# Altium PCB DIOT_8ch_isoSPI1.PcbDoc (part 4 of 5) (continued)
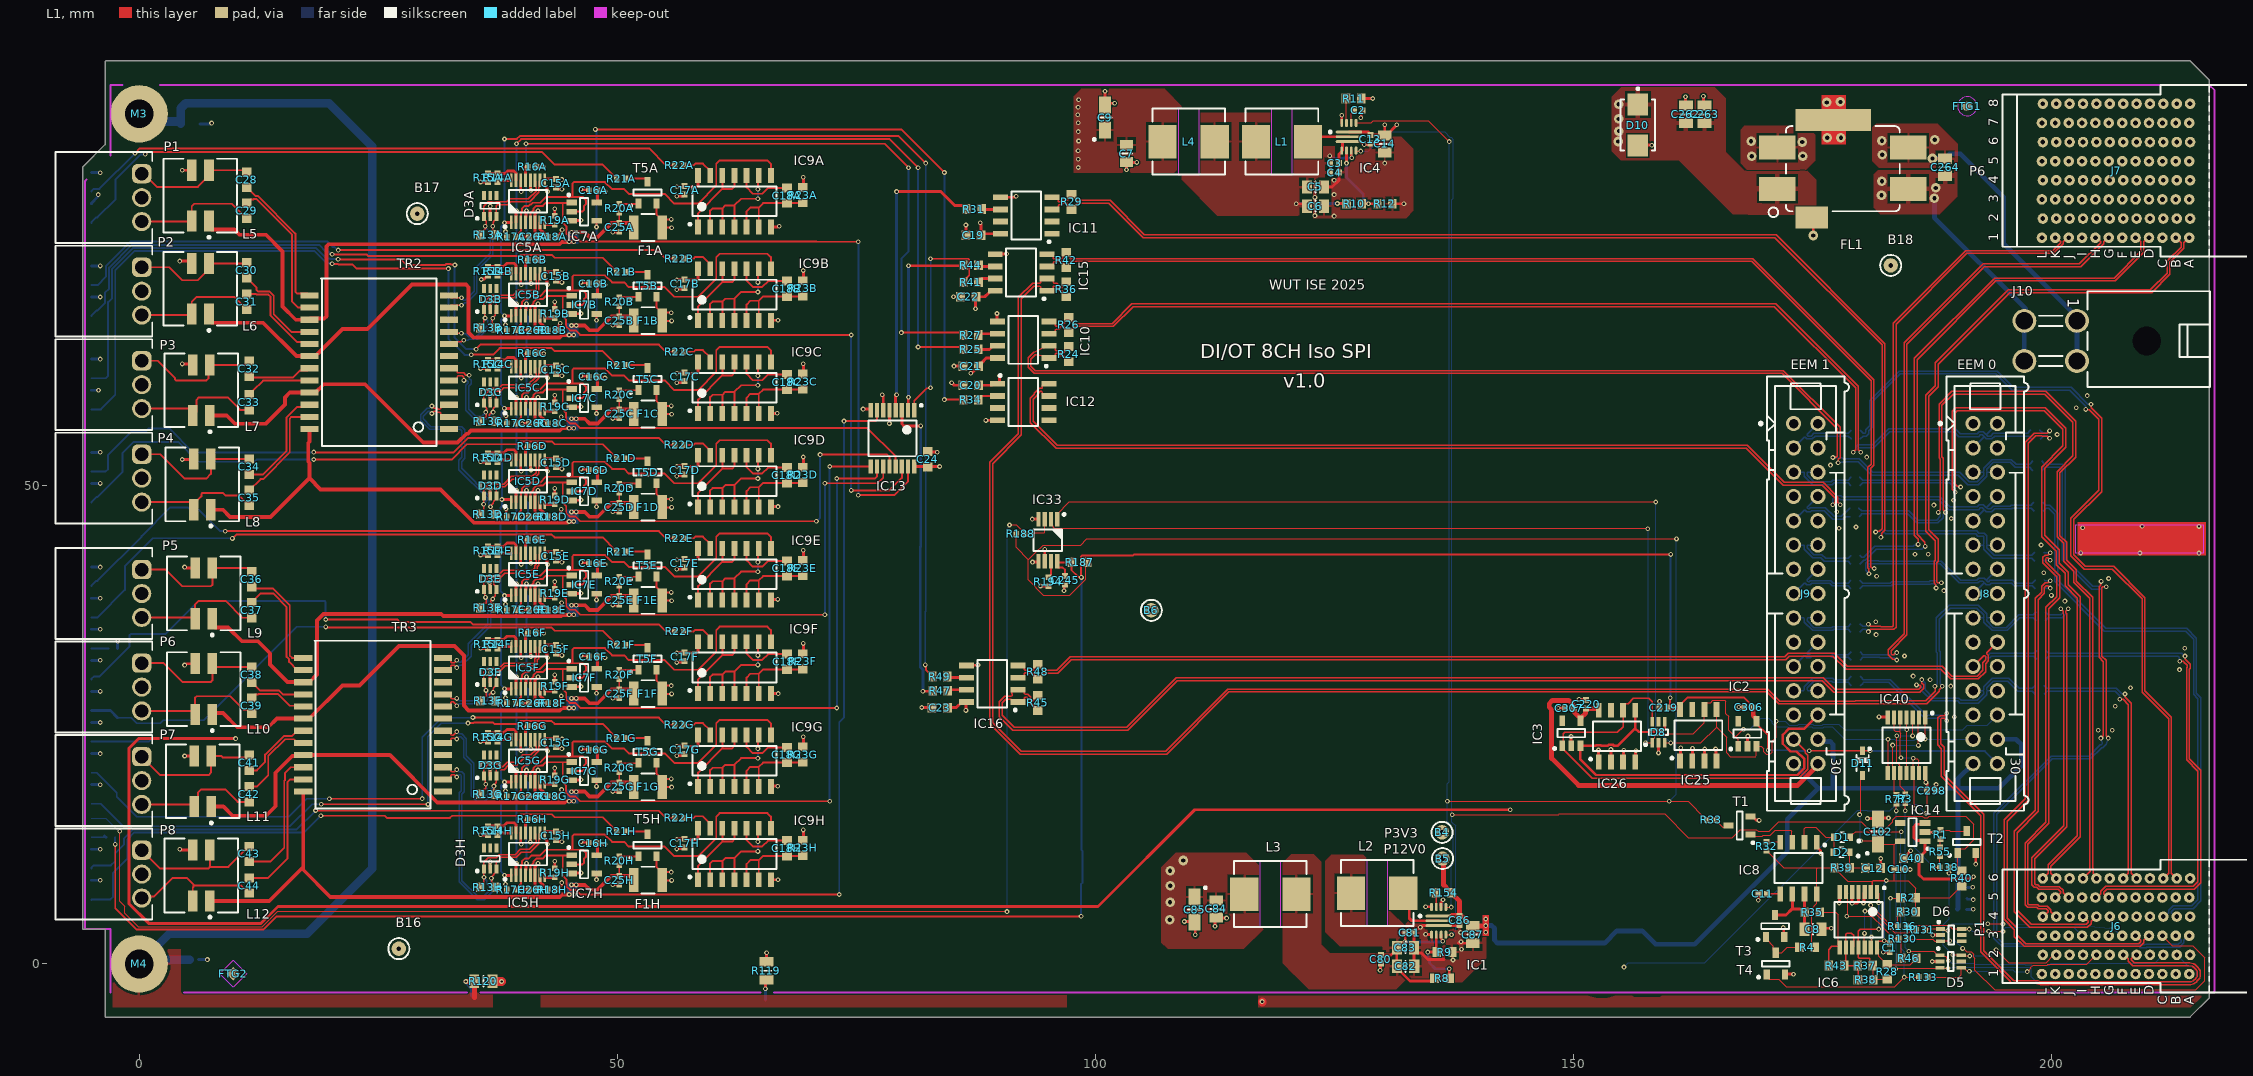
[diagram p0: L1 view]
## Nets (pads, with @x,y where several pads share a name; then routed paths per layer and width w, separated by ;. In a path a pad name is that pad's centre, name@x,y a point inside that pad or via, vN(x,y) a via of type N, cw(c..) or ccw(c..) an arc to the next point about the centre after c; other vN are vias at no path point) (continued)
NetC44_1: C44.1 L12.4 P8.3 | length 14.5
  L1 w0.2: P8.3@0.267,6.898 0.436,7.067 1.567,7.067 3.5,9 5,9 5.667,8.333 5.667,8.2 ; L12.4@5.6,6.6 5.6,8 5.667,8.067 5.667,8.2 ; C44.1@11.5,7.4 11.475,7.4 10.675,8.2 5.667,8.2
NetC44_2: C44.2 TR3.23 | length 14.6
  L1 w0.2: C44.2@11.5,9 13.5,9 15.5,11 15.5,19 15.805,19.305 TR3.23@17.154,19.305
NetC79_2: C79.2 IC1.9 | length 1.7
  L1 w0.3: IC1.9@136.14,5.963 136.14,6.444 136.347,6.651 v1(136.347,6.706)
  L4 w0.3: C79.2@136.09,5.963 136.25,6.123 136.25,6.554 136.347,6.651 v1(136.347,6.706)
NetC264_1: C264.1 FL1.3 J10.1 J10.2 | length 29.9
  L4 w0.5: v2(187.528,84.226) 188.802,84.226 189.31,84.734 190.449,84.734 194.945,80.239 194.945,75.369 202.631,67.683 J10.2@202.631,63.051
  other v2: 182.27,84.607 182.245,86.081 187.757,86.182
NetC264_2: C264.2 FL1.1 J10.3 J10.4 | length 21
  L4 w0.5: v2(187.731,80.061) 187.731,78.029 197.256,68.504 197.256,67.376 J10.3@197.131,67.251 J10.4@197.131,63.051
  other v2: 182.194,80.391 187.858,81.153 182.245,81.839
NetD1_2: D1.2 D2.2 IC8.2 | length 6.6
  L1 w0.125: IC8.2@174.142,12.733 174.142,14.122 174.295,14.275 175.336,14.275 176.352,13.259 D1.2@177.229,13.259 177.229,11.76 D2.2@177.153,11.684
NetD5_4: D5.4 J6.H2 R133.2 | length 19.6
  L1 w0.125: R133.2@187.033,-1.372 190.297,-1.372 190.551,-1.118 190.551,-0.414 D5.4@190.533,-0.396 190.808,-0.396 191.102,-0.69 191.317,-0.69 v1(191.389,-0.762) ; v1(197.426,-0.795) 197.464,-0.795 197.821,-0.438 197.821,-0.35 198.056,-0.115 199.51,-0.115 199.574,-0.051 203.668,-0.051 J6.H2@204.669,0.95
  L4 w0.125: v1(191.389,-0.762) 194.435,-0.762 194.587,-0.61 195.93,-0.61 196.115,-0.795 v1(197.426,-0.795)
NetD5_6: D5.6 J6.K2 R138.2 | length 21.9
  L1 w0.125: R138.2@189.243,10.109 189.255,10.097 v1(189.255,9.5) ; v1(189.636,0.965) 190.472,0.965 D5.6@190.533,0.904 190.599,0.838 v1(191.414,0.838) ; v1(194.183,1.473) 195.519,0.138 199.406,0.138 200.218,0.95 J6.K2@200.469,0.95
  L4 w0.125: v1(189.255,9.5) 189.255,4.724 188.646,4.115 188.646,1.956 v1(189.636,0.965) ; v1(191.414,0.838) 193.548,0.838 v1(194.183,1.473)
NetIC1_2: IC1.2 L2.1 | length 6.1
  L1 w0.3: L2.1@132.182,7.417 132.817,6.782 132.817,4.775 133.079,4.513 IC1.2@135.89,4.513
NetIC1_5: IC1.5 R8.1 R9.2 | length 7.3
  L1 w0.3: v1(134.747,1.245) 135.569,1.245 135.674,1.35 135.64,1.384 IC1.5@135.64,3.063 ; v1(137,-0.5) 137,-1.465 R8.1@137.063,-1.528
  L4 w0.3: v1(134.747,1.245) 134.775,1.217 134.775,0.545 134.925,0.395 134.925,0.102 135.526,-0.5 v1(137,-0.5)
NetIC1_10: IC1.10 R154.2 | length 1.5
  L1 w0.2: R154.2@135.598,7.468 135.64,7.426 IC1.10@135.64,5.963
NetIC4_2: IC4.2 L1.1 | length 4.5
  L1 w0.3: L1.1@122.225,86 122.725,86.5 IC4.2@126.5,86.5
NetIC4_5: IC4.5 R10.1 R12.2 | length 8.1
  L1 w0.3: v1(126.25,83.75) IC4.5@126.25,85.05 ; R10.1@127.85,79.5 v1(128.55,79.5) R12.2@129.45,79.5
  L4 w0.3: v1(126.25,83.75) 126.25,82.25 128,80.5 128,80.05 v1(128.55,79.5)
NetIC4_10: IC4.10 R11.2 | length 2.6
  L1 w0.125: R11.2@126.2,90.5 126.25,90.45 IC4.10@126.25,87.95
NetIC5A_1: IC5A.1 IC5B.1 IC5C.1 IC5D.1 IC5E.1 IC5F.1 IC5G.1 IC5H.1 R49.1 | length 184.8
  L1 w0.2: v1(38.204,86.27) 39.491,86.27 39.796,86.574 79.426,86.574 v1(82.25,83.75) ; v1(82.204,31.27) 82.261,31.213 82.261,30.763 82.916,30.108 R49.1@82.916,30.058
  L1 w0.3: v1(37.931,48.565) 38.906,48.565 IC5D.1@38.906,48.297 ; v1(38.193,58.095) 38.906,58.095 IC5C.1@38.906,58.047 ; v1(38.204,9.27) 38.906,9.27 IC5H.1@38.906,9.297 ; v1(38.204,19.02) 38.906,19.02 IC5G.1@38.906,19.047 ; v1(38.204,28.77) 38.906,28.77 IC5F.1@38.906,28.797 ; v1(38.204,38.52) 38.906,38.52 IC5E.1@38.906,38.547 ; v1(38.204,67.77) 38.906,67.77 IC5B.1@38.906,67.797 ; v1(38.204,77.52) 38.906,77.52 IC5A.1@38.906,77.547
  L4 w0.2: v1(37.931,48.565) v1@37.795,48.565 ; v1@38.175,58.077 38.175,58.162 37.829,58.509 37.829,67.367 v1@38.204,67.742 ; v1(38.193,58.095) 38.193,58.014 37.871,57.692 37.871,53.199 37.931,53.139 37.931,48.701 v1@37.795,48.565 ; v1(38.204,9.27) 38.204,9.298 37.829,9.673 37.829,18.617 v1@38.204,18.992 ; v1(38.204,19.02) 38.204,19.048 37.829,19.423 37.829,28.367 v1@38.204,28.742 ; v1(38.204,28.77) 38.204,28.798 37.829,29.173 37.829,38.117 v1@38.204,38.492 ; v1(38.204,38.52) 38.204,38.548 37.795,38.957 37.795,47.721 37.931,47.857 37.931,48.429 v1@37.795,48.565 ; v1(38.204,67.77) 38.204,67.798 37.829,68.173 37.829,77.117 38.204,77.492 v1(38.204,86.27) ; v1(82.204,31.27) 82.204,36.814 82.25,36.86 v1(82.25,83.75)
NetIC5A_2: IC5A.2 IC5B.2 IC5C.2 IC5D.2 IC5E.2 IC5F.2 IC5G.2 IC5H.2 R25.1 | length 152.2
  L1 w0.2: v1(39.454,85.77) 39.931,86.247 78.477,86.247 v1(81.454,83.27) ; v1(81.454,64.52) 85.904,64.52 R25.1@86.154,64.27
  L1 w0.3: IC5H.2@39.406,9.297 39.406,10.418 39.454,10.466 v1(39.454,10.52) ; IC5G.2@39.406,19.047 39.406,20.168 39.454,20.216 v1(39.454,20.27) ; IC5F.2@39.406,28.797 39.406,29.918 39.454,29.966 v1(39.454,30.02) ; IC5E.2@39.406,38.547 39.406,39.668 39.454,39.716 v1(39.454,39.77) ; IC5D.2@39.406,48.297 39.406,49.418 39.454,49.466 v1(39.454,49.52) ; IC5C.2@39.406,58.047 39.406,59.168 39.454,59.216 v1(39.454,59.27) ; IC5B.2@39.406,67.797 39.406,68.918 39.454,68.966 v1(39.454,69.02) ; IC5A.2@39.406,77.547 39.406,78.668 39.454,78.716 v1(39.454,78.77)
  L4 w0.2: v1(39.454,10.52) v1(39.454,20.27) v1(39.454,30.02) v1(39.454,39.77) v1(39.454,49.52) v1(39.454,59.27) v1(39.454,69.02) v1(39.454,78.77) v1(39.454,85.77) ; v1(81.454,64.52) v1(81.454,83.27)
NetIC5A_3: IC5A.3 IC7A.2 IC9A.8 R17A.1 | length 40.8
  L1 w0.2: R17A.1@39.394,76.02 39.394,76.04 39.717,76.363 39.717,76.424 39.915,76.622 IC5A.3@39.915,77.538 ; IC5A.3@39.906,77.547 IC5A.3@39.915,77.538 ; IC7A.2@45.232,78.668 46.356,78.668 46.532,78.844 46.532,79.273 46.709,79.45 46.709,79.886 46.4,80.195 45.292,80.195 ; IC9A.8@66.06,82.45 66.06,83.664 65.704,84.02 60.704,84.02 60.349,83.665 60.349,81.415 58.454,79.52 55.954,79.52 54.954,80.52 51.204,80.52 50.704,81.02 49.454,81.02 48.704,81.77 45.454,81.77 45.292,81.608 45.292,80.195 ; IC5A.3@39.915,77.538 39.915,78.556 40.031,78.672 40.031,78.968 40.344,79.28 40.714,79.28 40.847,79.413 40.947,79.413 41.131,79.597 41.927,79.597 42.525,80.195 45.292,80.195
NetIC5A_4: IC5A.4 IC5B.4 IC5C.4 IC5D.4 IC5E.4 IC5F.4 IC5G.4 IC5H.4 R27.1 | length 151.6
  L1 w0.2: v1(40.454,85.77) 77.954,85.77 v1(80.454,83.27) ; v1(79.704,66.02) 85.904,66.02 R27.1@86.154,65.77
  L1 w0.3: IC5H.4@40.406,9.297 40.406,9.847 40.47,9.911 40.47,10.482 v1(40.508,10.52) ; IC5G.4@40.406,19.047 40.406,19.597 40.47,19.661 40.47,20.232 v1(40.508,20.27) ; IC5F.4@40.406,28.797 40.406,29.347 40.47,29.411 40.47,29.982 v1(40.508,30.02) ; IC5E.4@40.406,38.547 40.406,39.097 40.47,39.161 40.47,39.732 v1(40.508,39.77) ; IC5D.4@40.406,48.297 40.406,48.847 40.47,48.911 40.47,49.482 v1(40.508,49.52) ; IC5C.4@40.406,58.047 40.406,58.597 40.47,58.661 40.47,59.232 v1(40.508,59.27) ; IC5B.4@40.406,67.797 40.406,68.347 40.47,68.411 40.47,68.982 v1(40.508,69.02) ; IC5A.4@40.406,77.547 40.406,78.097 40.47,78.161 40.47,78.732 v1(40.508,78.77)
  L4 w0.2: v1(40.454,85.77) 40.454,85.02 40.481,84.993 40.481,78.797 v1(40.508,78.77) 40.508,76.381 40.671,76.218 40.671,75.822 40.508,75.659 v1(40.508,69.02) 40.508,67.869 40.671,67.706 40.671,65.59 40.508,65.427 40.508,61.706 40.481,61.679 40.481,61.284 40.508,61.258 v1(40.508,59.27) 40.508,58.119 40.671,57.956 40.671,55.84 40.508,55.677 v1(40.508,49.52) 40.508,48.369 40.671,48.206 40.671,46.09 40.508,45.927 40.508,42.125 40.482,42.099 40.482,41.703 40.508,41.677 v1(40.508,39.77) 40.508,38.619 40.671,38.456 40.671,36.34 40.508,36.177 40.508,32.375 40.482,32.349 40.482,31.953 40.508,31.927 v1(40.508,30.02) 40.508,28.869 40.671,28.706 40.671,26.59 40.508,26.427 40.508,22.721 40.482,22.695 40.482,22.299 40.508,22.273 v1(40.508,20.27) 40.508,19.119 40.671,18.956 40.671,16.84 40.508,16.677 40.508,13.024 40.429,12.945 40.429,12.549 40.508,12.47 v1(40.508,10.52) ; v1(79.704,66.02) 79.704,73.77 80.454,74.52 v1(80.454,83.27)
NetIC5A_7: IC5A.7 R18A.2 | length 1.9
  L1 w0.3: IC5A.7@41.906,77.547 41.906,76.805 42.141,76.57 42.204,76.57 42.734,76.04 R18A.2@42.734,76.02
NetIC5A_8: IC5A.8 R19A.2 | length 1.3
  L1 w0.3: IC5A.8@42.406,77.547 42.406,77.3 R19A.2@43.454,77.3
NetIC5A_13: IC5A.13 R16A.2 | length 1.6
  L1 w0.3: IC5A.13@40.406,81.947 40.406,83.324 40.607,83.324 R16A.2@40.651,83.368
NetIC5A_15: IC5A.15 R14A.2 R15A.1 | length 3.9
  L1 w0.3: R15A.1@36.469,82.671 38.281,82.671 38.534,82.924 39.171,82.924 39.406,82.689 IC5A.15@39.406,81.947
NetIC5A_16: IC5A.16 R14A.1 | length 1.5
  L1 w0.3: R14A.1@37.485,81.731 37.505,81.731 37.721,81.947 IC5A.16@38.906,81.947
NetIC5B_3: IC5B.3 IC7B.2 IC9B.8 R17B.1 | length 40.7
  L1 w0.2: R17B.1@39.394,66.27 39.394,66.29 39.717,66.613 39.717,66.674 39.915,66.872 39.915,67.788 IC5B.3@39.906,67.797 39.906,68.797 40.031,68.922 40.031,69.218 40.341,69.528 40.712,69.528 41.021,69.837 41.702,69.837 41.712,69.847 41.927,69.847 42.525,70.445 45.292,70.445 ; IC7B.2@45.232,68.918 46.356,68.918 46.532,69.094 46.532,69.523 46.709,69.7 46.709,70.136 46.4,70.445 45.292,70.445 ; IC9B.8@66.06,72.7 66.06,73.914 65.704,74.27 60.704,74.27 60.349,73.915 60.349,71.665 58.454,69.77 55.954,69.77 54.954,70.77 51.204,70.77 50.704,71.27 49.454,71.27 48.704,72.02 45.454,72.02 45.292,71.858 45.292,70.445
NetIC5B_7: IC5B.7 R18B.2 | length 1.9
  L1 w0.3: IC5B.7@41.906,67.797 41.906,67.055 42.141,66.82 42.204,66.82 42.734,66.29 R18B.2@42.734,66.27
NetIC5B_8: IC5B.8 R19B.2 | length 1.3
  L1 w0.3: IC5B.8@42.406,67.797 42.406,67.55 R19B.2@43.454,67.55
NetIC5B_13: IC5B.13 R16B.2 | length 1.6
  L1 w0.3: IC5B.13@40.406,72.197 40.406,73.574 40.607,73.574 R16B.2@40.651,73.618
NetIC5B_15: IC5B.15 R14B.2 R15B.1 | length 4
  L1 w0.3: R15B.1@36.469,72.921 38.105,72.921 38.454,73.27 39.204,73.27 39.406,73.068 IC5B.15@39.406,72.197
NetIC5B_16: IC5B.16 R14B.1 | length 1.5
  L1 w0.3: R14B.1@37.485,71.981 37.505,71.981 37.721,72.197 IC5B.16@38.906,72.197
NetIC5C_3: IC5C.3 IC7C.2 IC9C.8 R17C.1 | length 40.7
  L1 w0.2: R17C.1@39.394,56.52 39.394,56.54 39.717,56.863 39.717,56.924 39.915,57.122 39.915,58.038 IC5C.3@39.906,58.047 39.906,59.047 40.031,59.172 40.031,59.468 40.341,59.778 40.712,59.778 40.884,59.95 40.903,59.95 41.05,60.097 41.927,60.097 42.525,60.695 45.292,60.695 ; IC7C.2@45.232,59.168 46.356,59.168 46.532,59.344 46.532,59.773 46.709,59.95 46.709,60.386 46.4,60.695 45.292,60.695 ; IC9C.8@66.06,62.95 66.06,64.164 65.704,64.52 60.704,64.52 60.349,64.165 60.349,61.915 58.454,60.02 55.954,60.02 54.954,61.02 51.204,61.02 50.704,61.52 49.454,61.52 48.704,62.27 45.454,62.27 45.292,62.108 45.292,60.695
NetIC5C_7: IC5C.7 R18C.2 | length 1.9
  L1 w0.3: IC5C.7@41.906,58.047 41.906,57.305 42.141,57.07 42.204,57.07 42.734,56.54 R18C.2@42.734,56.52
NetIC5C_8: IC5C.8 R19C.2 | length 1.3
  L1 w0.3: IC5C.8@42.406,58.047 42.406,57.8 R19C.2@43.454,57.8
NetIC5C_13: IC5C.13 R16C.2 | length 1.6
  L1 w0.3: IC5C.13@40.406,62.447 40.406,63.824 40.607,63.824 R16C.2@40.651,63.868
NetIC5C_15: IC5C.15 R14C.2 R15C.1 | length 3.9
  L1 w0.3: R15C.1@36.469,63.171 38.281,63.171 38.534,63.424 39.171,63.424 39.406,63.189 IC5C.15@39.406,62.447
NetIC5C_16: IC5C.16 R14C.1 | length 1.5
  L1 w0.3: R14C.1@37.485,62.231 37.505,62.231 37.721,62.447 IC5C.16@38.906,62.447
NetIC5D_3: IC5D.3 IC7D.2 IC9D.8 R17D.1 | length 40.7
  L1 w0.2: R17D.1@39.394,46.77 39.394,46.79 39.717,47.113 39.717,47.174 39.915,47.372 39.915,48.288 IC5D.3@39.906,48.297 ; IC5D.3@39.91,48.292 39.91,49.302 40.031,49.422 40.031,49.718 40.343,50.029 40.713,50.029 41.031,50.347 41.927,50.347 42.525,50.945 45.292,50.945 ; IC7D.2@45.232,49.418 46.356,49.418 46.532,49.594 46.532,50.023 46.709,50.2 46.709,50.636 46.4,50.945 45.292,50.945 ; IC9D.8@66.06,53.2 66.06,54.414 65.704,54.77 60.704,54.77 60.349,54.415 60.349,52.165 58.454,50.27 55.954,50.27 54.954,51.27 51.204,51.27 50.704,51.77 49.454,51.77 48.704,52.52 45.454,52.52 45.292,52.358 45.292,50.945
NetIC5D_7: IC5D.7 R18D.2 | length 1.9
  L1 w0.3: IC5D.7@41.906,48.297 41.906,47.555 42.141,47.32 42.204,47.32 42.734,46.79 R18D.2@42.734,46.77
NetIC5D_8: IC5D.8 R19D.2 | length 1.3
  L1 w0.3: IC5D.8@42.406,48.297 42.406,48.05 R19D.2@43.454,48.05
NetIC5D_13: IC5D.13 R16D.2 | length 1.6
  L1 w0.3: IC5D.13@40.406,52.697 40.406,54.074 40.607,54.074 R16D.2@40.651,54.118
NetIC5D_15: IC5D.15 R14D.2 R15D.1 | length 4
  L1 w0.3: R15D.1@36.469,53.421 38.105,53.421 38.454,53.77 39.204,53.77 39.406,53.568 IC5D.15@39.406,52.697
NetIC5D_16: IC5D.16 R14D.1 | length 1.5
  L1 w0.3: R14D.1@37.485,52.481 37.505,52.481 37.721,52.697 IC5D.16@38.906,52.697
NetIC5E_3: IC5E.3 IC7E.2 IC9E.8 R17E.1 | length 40.7
  L1 w0.2: R17E.1@39.394,37.02 39.394,37.04 39.717,37.363 39.717,37.424 39.915,37.622 39.915,38.538 IC5E.3@39.906,38.547 39.906,39.547 40.031,39.672 40.031,39.968 40.341,40.278 40.712,40.278 40.985,40.551 41.37,40.551 41.416,40.597 41.927,40.597 42.525,41.195 45.292,41.195 ; IC7E.2@45.232,39.668 46.356,39.668 46.532,39.844 46.532,40.273 46.709,40.45 46.709,40.886 46.4,41.195 45.292,41.195 ; IC9E.8@66.06,43.45 66.06,44.664 65.704,45.02 60.704,45.02 60.349,44.665 60.349,42.415 58.454,40.52 55.954,40.52 54.954,41.52 51.204,41.52 50.704,42.02 49.454,42.02 48.704,42.77 45.454,42.77 45.292,42.608 45.292,41.195
NetIC5E_7: IC5E.7 R18E.2 | length 1.9
  L1 w0.3: IC5E.7@41.906,38.547 41.906,37.805 42.141,37.57 42.204,37.57 42.734,37.04 R18E.2@42.734,37.02
NetIC5E_8: IC5E.8 R19E.2 | length 1.3
  L1 w0.3: IC5E.8@42.406,38.547 42.406,38.3 R19E.2@43.454,38.3
NetIC5E_13: IC5E.13 R16E.2 | length 1.6
  L1 w0.3: IC5E.13@40.406,42.947 40.406,44.324 40.607,44.324 R16E.2@40.651,44.368
NetIC5E_15: IC5E.15 R14E.2 R15E.1 | length 4
  L1 w0.3: R15E.1@36.469,43.671 38.105,43.671 38.454,44.02 39.204,44.02 39.406,43.818 IC5E.15@39.406,42.947
NetIC5E_16: IC5E.16 R14E.1 | length 1.5
  L1 w0.3: R14E.1@37.485,42.731 37.505,42.731 37.721,42.947 IC5E.16@38.906,42.947
NetIC5F_3: IC5F.3 IC7F.2 IC9F.8 R17F.1 | length 40.7
  L1 w0.2: R17F.1@39.394,27.27 39.394,27.29 39.717,27.613 39.717,27.674 39.915,27.872 39.915,28.788 IC5F.3@39.906,28.797 ; IC5F.3@39.91,28.792 39.91,29.802 40.031,29.922 40.031,30.218 40.343,30.529 40.713,30.529 41.031,30.847 41.927,30.847 42.525,31.445 45.292,31.445 ; IC7F.2@45.232,29.918 46.356,29.918 46.532,30.094 46.532,30.523 46.709,30.7 46.709,31.136 46.4,31.445 45.292,31.445 ; IC9F.8@66.06,33.7 66.06,34.914 65.704,35.27 60.704,35.27 60.349,34.915 60.349,32.665 58.454,30.77 55.954,30.77 54.954,31.77 51.204,31.77 50.704,32.27 49.454,32.27 48.704,33.02 45.454,33.02 45.292,32.858 45.292,31.445
NetIC5F_7: IC5F.7 R18F.2 | length 1.9
  L1 w0.3: IC5F.7@41.906,28.797 41.906,28.055 42.141,27.82 42.204,27.82 42.734,27.29 R18F.2@42.734,27.27
NetIC5F_8: IC5F.8 R19F.2 | length 1.3
  L1 w0.3: IC5F.8@42.406,28.797 42.406,28.55 R19F.2@43.454,28.55
NetIC5F_13: IC5F.13 R16F.2 | length 1.6
  L1 w0.3: IC5F.13@40.406,33.197 40.406,34.574 40.607,34.574 R16F.2@40.651,34.618
NetIC5F_15: IC5F.15 R14F.2 R15F.1 | length 4
  L1 w0.3: R15F.1@36.469,33.921 38.105,33.921 38.454,34.27 39.204,34.27 39.406,34.068 IC5F.15@39.406,33.197
NetIC5F_16: IC5F.16 R14F.1 | length 1.5
  L1 w0.3: R14F.1@37.485,32.981 37.505,32.981 37.721,33.197 IC5F.16@38.906,33.197
NetIC5G_3: IC5G.3 IC7G.2 IC9G.8 R17G.1 | length 40.7
  L1 w0.2: R17G.1@39.394,17.52 39.394,17.54 39.717,17.863 39.717,17.924 39.915,18.122 39.915,19.038 IC5G.3@39.906,19.047 39.906,20.047 40.031,20.172 40.031,20.468 40.341,20.778 40.712,20.778 41.031,21.097 41.927,21.097 42.525,21.695 45.292,21.695 ; IC7G.2@45.232,20.168 46.356,20.168 46.532,20.344 46.532,20.773 46.709,20.95 46.709,21.386 46.4,21.695 45.292,21.695 ; IC9G.8@66.06,23.95 66.06,25.164 65.704,25.52 60.704,25.52 60.349,25.165 60.349,22.915 58.454,21.02 55.954,21.02 54.954,22.02 51.204,22.02 50.704,22.52 49.454,22.52 48.704,23.27 45.454,23.27 45.292,23.108 45.292,21.695
NetIC5G_7: IC5G.7 R18G.2 | length 1.9
  L1 w0.3: IC5G.7@41.906,19.047 41.906,18.305 42.141,18.07 42.204,18.07 42.734,17.54 R18G.2@42.734,17.52
NetIC5G_8: IC5G.8 R19G.2 | length 1.3
  L1 w0.3: IC5G.8@42.406,19.047 42.406,18.8 R19G.2@43.454,18.8
NetIC5G_13: IC5G.13 R16G.2 | length 1.6
  L1 w0.3: IC5G.13@40.406,23.447 40.406,24.824 40.607,24.824 R16G.2@40.651,24.868
NetIC5G_15: IC5G.15 R14G.2 R15G.1 | length 4
  L1 w0.3: R15G.1@36.469,24.171 38.105,24.171 38.454,24.52 39.204,24.52 39.406,24.318 IC5G.15@39.406,23.447
NetIC5G_16: IC5G.16 R14G.1 | length 1.5
  L1 w0.3: R14G.1@37.485,23.231 37.505,23.231 37.721,23.447 IC5G.16@38.906,23.447
NetIC5H_3: IC5H.3 IC7H.2 IC9H.8 R17H.1 | length 40.7
  L1 w0.2: R17H.1@39.394,7.77 39.394,7.79 39.717,8.113 39.717,8.174 39.915,8.372 39.915,9.288 IC5H.3@39.906,9.297 ; IC5H.3@39.91,9.292 39.91,10.302 40.031,10.422 40.031,10.718 40.343,11.029 40.713,11.029 41.031,11.347 41.927,11.347 42.525,11.945 45.292,11.945 ; IC7H.2@45.232,10.418 46.356,10.418 46.532,10.594 46.532,11.023 46.709,11.2 46.709,11.636 46.4,11.945 45.292,11.945 ; IC9H.8@66.06,14.2 66.06,15.414 65.704,15.77 60.704,15.77 60.349,15.415 60.349,13.165 58.454,11.27 55.954,11.27 54.954,12.27 51.204,12.27 50.704,12.77 49.454,12.77 48.704,13.52 45.454,13.52 45.292,13.358 45.292,11.945
NetIC5H_7: IC5H.7 R18H.2 | length 1.9
  L1 w0.3: IC5H.7@41.906,9.297 41.906,8.555 42.141,8.32 42.204,8.32 42.734,7.79 R18H.2@42.734,7.77
NetIC5H_8: IC5H.8 R19H.2 | length 1.3
  L1 w0.3: IC5H.8@42.406,9.297 42.406,9.05 R19H.2@43.454,9.05
NetIC5H_13: IC5H.13 R16H.2 | length 1.6
  L1 w0.3: IC5H.13@40.406,13.697 40.406,15.074 40.607,15.074 R16H.2@40.651,15.118
NetIC5H_15: IC5H.15 R14H.2 R15H.1 | length 4
  L1 w0.3: R15H.1@36.469,14.421 38.105,14.421 38.454,14.77 39.204,14.77 39.406,14.568 IC5H.15@39.406,13.697
NetIC5H_16: IC5H.16 R14H.1 | length 1.5
  L1 w0.3: R14H.1@37.485,13.481 37.505,13.481 37.721,13.697 IC5H.16@38.906,13.697
NetIC6_1: IC6.1 IC6.11 R28.1 R37.1 R38.1 | length 14
  L1 w0.125: R37.1@181.292,-0.163 181.343,-0.213 R38.1@181.343,-1.651 181.381,-1.613 R28.1@182.778,-1.613
  L1 w0.14: R37.1@181.292,-0.163 180.969,0.161 180.969,0.61 179.863,0.61 179.781,0.692 IC6.11@179.781,1.713 179.781,3.444 179.984,3.647 v1(181.915,3.647) ; IC6.1@181.731,7.513 181.886,7.358 181.886,6.419 v1(181.889,6.416)
  L4 w0.14: v1(181.889,6.416) 181.902,6.403 181.902,3.66 v1(181.915,3.647)
NetIC6_8: IC6.8 R35.1 R43.1 | length 8.4
  L1 w0.125: R35.1@175.755,5.41 177.419,5.41 177.669,5.161 177.669,1.875 177.715,1.829 IC6.8@177.831,1.713
  L1 w0.14: R43.1@176.683,-0.163 176.683,1.499 177.013,1.829 IC6.8@177.715,1.829
NetIC6_9: IC6.9 IC6.10 R37.2 R38.2 R43.2 | length 8.5
  L1 w0.14: IC6.10@179.131,1.713 179.273,1.855 179.273,2.987 179.045,3.216 178.613,3.216 178.481,3.084 IC6.9@178.481,1.713 178.481,0.036 R43.2@178.283,-0.163 R37.2@179.692,-0.163 179.743,-0.213 R38.2@179.743,-1.651
NetIC7A_4: IC7A.4 IC7B.4 IC7C.4 IC7D.4 IC7E.4 IC7F.4 IC7G.4 IC7H.4 R34.1 | length 147.8
  L1 w0.2: v1(47.704,87.27) 79.704,87.27 v1(84.204,82.77) ; v1(47.827,8.819) 47.827,9.463 IC7H.4@47.832,9.468 ; v1(47.827,18.569) 47.827,19.213 IC7G.4@47.832,19.218 ; v1(47.827,28.319) 47.827,28.963 IC7F.4@47.832,28.968 ; v1(47.827,38.069) 47.827,38.713 IC7E.4@47.832,38.718 ; v1(47.827,47.819) 47.827,48.463 IC7D.4@47.832,48.468 ; v1(47.827,57.569) 47.827,58.213 IC7C.4@47.832,58.218 ; v1(47.827,67.319) 47.827,67.963 IC7B.4@47.832,67.968 ; v1(47.827,77.069) 47.827,77.713 IC7A.4@47.832,77.718 ; v1(84.204,59.02) R34.1@86.154,59.02
  L4 w0.2: v1(47.704,87.27) 47.704,87.189 47.827,87.066 v1(47.827,77.069) v1(47.827,67.319) v1(47.827,57.569) v1(47.827,47.819) v1(47.827,38.069) v1(47.827,28.319) v1(47.827,18.569) v1(47.827,8.819) ; v1(84.204,59.02) v1(84.204,82.77)
NetIC8_4: IC8.4 R32.2 | length 1.4
  L1 w0.125: R32.2@170.18,12.789 171.546,12.789 IC8.4@171.602,12.733
NetIC9A_1: IC9A.1 IC9A.11 IC9A.12 | length 9
  L1 w0.2: IC9A.1@58.44,77.05 58.44,78.506 60.98,81.046 ; IC9A.12@60.98,82.45 60.98,81.046 ; IC9A.11@62.25,82.45 62.25,81.3 61.996,81.046 60.98,81.046
NetIC9A_2: IC9A.2 IC9A.3 IC9A.4 IC9A.9 | length 13.9
  L1 w0.2: IC9A.2@59.71,77.05 59.71,78.776 59.954,79.02 60.954,79.02 60.98,78.994 ; IC9A.3@60.98,77.05 60.98,78.994 ; IC9A.4@62.25,77.05 62.25,79.316 ; v1(64.704,80.02) 62.954,80.02 62.25,79.316 ; v1(64.704,81.02) 64.704,82.364 IC9A.9@64.79,82.45 ; 60.98,78.994 61.302,79.316 62.25,79.316
  L4 w0.2: v1(64.704,80.02) v1(64.704,81.02)
NetIC9A_13: IC9A.13 R22A.1 | length 3.7
  L1 w0.2: R22A.1@56.924,83.52 57.994,83.52 58.167,83.693 58.942,83.693 59.71,82.925 IC9A.13@59.71,82.45
NetIC9B_1: IC9B.1 IC9B.11 IC9B.12 | length 9
  L1 w0.2: IC9B.1@58.44,67.3 58.44,68.756 60.98,71.296 ; IC9B.12@60.98,72.7 60.98,71.296 ; IC9B.11@62.25,72.7 62.25,71.55 61.996,71.296 60.98,71.296
NetIC9B_2: IC9B.2 IC9B.3 IC9B.4 IC9B.9 | length 13.9
  L1 w0.2: IC9B.2@59.71,67.3 59.71,69.026 59.954,69.27 60.954,69.27 60.98,69.244 ; IC9B.3@60.98,67.3 60.98,69.244 ; IC9B.4@62.25,67.3 62.25,69.566 ; v1(64.704,70.27) 62.954,70.27 62.25,69.566 ; v1(64.704,71.27) 64.704,72.614 IC9B.9@64.79,72.7 ; 60.98,69.244 61.302,69.566 62.25,69.566
  L4 w0.2: v1(64.704,70.27) v1(64.704,71.27)
NetIC9B_13: IC9B.13 R22B.1 | length 3.7
  L1 w0.2: R22B.1@56.924,73.77 57.994,73.77 58.167,73.943 58.942,73.943 59.71,73.175 IC9B.13@59.71,72.7
NetIC9C_1: IC9C.1 IC9C.11 IC9C.12 | length 9
  L1 w0.2: IC9C.1@58.44,57.55 58.44,59.006 60.98,61.546 ; IC9C.12@60.98,62.95 60.98,61.546 ; IC9C.11@62.25,62.95 62.25,61.8 61.996,61.546 60.98,61.546
NetIC9C_2: IC9C.2 IC9C.3 IC9C.4 IC9C.9 | length 13.9
  L1 w0.2: IC9C.2@59.71,57.55 59.71,59.276 59.954,59.52 60.954,59.52 60.98,59.494 ; IC9C.3@60.98,57.55 60.98,59.494 ; IC9C.4@62.25,57.55 62.25,59.816 ; v1(64.704,60.52) 62.954,60.52 62.25,59.816 ; v1(64.704,61.52) 64.704,62.864 IC9C.9@64.79,62.95 ; 60.98,59.494 61.302,59.816 62.25,59.816
  L4 w0.2: v1(64.704,60.52) v1(64.704,61.52)
NetIC9C_13: IC9C.13 R22C.1 | length 3.7
  L1 w0.2: R22C.1@56.924,64.02 57.994,64.02 58.167,64.193 58.942,64.193 59.71,63.425 IC9C.13@59.71,62.95
NetIC9D_1: IC9D.1 IC9D.11 IC9D.12 | length 9
  L1 w0.2: IC9D.1@58.44,47.8 58.44,49.256 60.98,51.796 ; IC9D.12@60.98,53.2 60.98,51.796 ; IC9D.11@62.25,53.2 62.25,52.05 61.996,51.796 60.98,51.796
NetIC9D_2: IC9D.2 IC9D.3 IC9D.4 IC9D.9 | length 13.9
  L1 w0.2: IC9D.2@59.71,47.8 59.71,49.526 59.954,49.77 60.954,49.77 60.98,49.744 ; IC9D.3@60.98,47.8 60.98,49.744 ; IC9D.4@62.25,47.8 62.25,50.066 ; v1(64.704,50.77) 62.954,50.77 62.25,50.066 ; v1(64.704,51.77) 64.704,53.114 IC9D.9@64.79,53.2 ; 60.98,49.744 61.302,50.066 62.25,50.066
  L4 w0.2: v1(64.704,50.77) v1(64.704,51.77)
NetIC9D_13: IC9D.13 R22D.1 | length 3.7
  L1 w0.2: R22D.1@56.924,54.27 57.994,54.27 58.167,54.443 58.942,54.443 59.71,53.675 IC9D.13@59.71,53.2
NetIC9E_1: IC9E.1 IC9E.11 IC9E.12 | length 9
  L1 w0.2: IC9E.1@58.44,38.05 58.44,39.506 60.98,42.046 ; IC9E.12@60.98,43.45 60.98,42.046 ; IC9E.11@62.25,43.45 62.25,42.3 61.996,42.046 60.98,42.046
NetIC9E_2: IC9E.2 IC9E.3 IC9E.4 IC9E.9 | length 13.9
  L1 w0.2: IC9E.2@59.71,38.05 59.71,39.776 59.954,40.02 60.954,40.02 60.98,39.994 ; IC9E.3@60.98,38.05 60.98,39.994 ; IC9E.4@62.25,38.05 62.25,40.316 ; v1(64.704,41.02) 62.954,41.02 62.25,40.316 ; v1(64.704,42.02) 64.704,43.364 IC9E.9@64.79,43.45 ; 60.98,39.994 61.302,40.316 62.25,40.316
  L4 w0.2: v1(64.704,41.02) v1(64.704,42.02)
NetIC9E_13: IC9E.13 R22E.1 | length 3.7
  L1 w0.2: R22E.1@56.924,44.52 57.994,44.52 58.167,44.693 58.942,44.693 59.71,43.925 IC9E.13@59.71,43.45
NetIC9F_1: IC9F.1 IC9F.11 IC9F.12 | length 9
  L1 w0.2: IC9F.1@58.44,28.3 58.44,29.756 60.98,32.296 ; IC9F.12@60.98,33.7 60.98,32.296 ; IC9F.11@62.25,33.7 62.25,32.55 61.996,32.296 60.98,32.296
NetIC9F_2: IC9F.2 IC9F.3 IC9F.4 IC9F.9 | length 13.9
  L1 w0.2: IC9F.2@59.71,28.3 59.71,30.026 59.954,30.27 60.954,30.27 60.98,30.244 ; IC9F.3@60.98,28.3 60.98,30.244 ; IC9F.4@62.25,28.3 62.25,30.566 ; v1(64.704,31.27) 62.954,31.27 62.25,30.566 ; v1(64.704,32.27) 64.704,33.614 IC9F.9@64.79,33.7 ; 60.98,30.244 61.302,30.566 62.25,30.566
  L4 w0.2: v1(64.704,31.27) v1(64.704,32.27)
NetIC9F_13: IC9F.13 R22F.1 | length 3.7
  L1 w0.2: R22F.1@56.924,34.77 57.994,34.77 58.167,34.943 58.942,34.943 59.71,34.175 IC9F.13@59.71,33.7
NetIC9G_1: IC9G.1 IC9G.11 IC9G.12 | length 9
  L1 w0.2: IC9G.1@58.44,18.55 58.44,20.006 60.98,22.546 ; IC9G.12@60.98,23.95 60.98,22.546 ; IC9G.11@62.25,23.95 62.25,22.8 61.996,22.546 60.98,22.546
NetIC9G_2: IC9G.2 IC9G.3 IC9G.4 IC9G.9 | length 13.9
  L1 w0.2: IC9G.2@59.71,18.55 59.71,20.276 59.954,20.52 60.954,20.52 60.98,20.494 ; IC9G.3@60.98,18.55 60.98,20.494 ; IC9G.4@62.25,18.55 62.25,20.816 ; v1(64.704,21.52) 62.954,21.52 62.25,20.816 ; v1(64.704,22.52) 64.704,23.864 IC9G.9@64.79,23.95 ; 60.98,20.494 61.302,20.816 62.25,20.816
  L4 w0.2: v1(64.704,21.52) v1(64.704,22.52)
NetIC9G_13: IC9G.13 R22G.1 | length 3.7
  L1 w0.2: R22G.1@56.924,25.02 57.994,25.02 58.167,25.193 58.942,25.193 59.71,24.425 IC9G.13@59.71,23.95
NetIC9H_1: IC9H.1 IC9H.11 IC9H.12 | length 9
  L1 w0.2: IC9H.1@58.44,8.8 58.44,10.256 60.98,12.796 ; IC9H.12@60.98,14.2 60.98,12.796 ; IC9H.11@62.25,14.2 62.25,13.05 61.996,12.796 60.98,12.796
NetIC9H_2: IC9H.2 IC9H.3 IC9H.4 IC9H.9 | length 13.9
  L1 w0.2: IC9H.2@59.71,8.8 59.71,10.526 59.954,10.77 60.954,10.77 60.98,10.744 ; IC9H.3@60.98,8.8 60.98,10.744 ; IC9H.4@62.25,8.8 62.25,11.066 ; v1(64.704,11.77) 62.954,11.77 62.25,11.066 ; v1(64.704,12.77) 64.704,14.114 IC9H.9@64.79,14.2 ; 60.98,10.744 61.302,11.066 62.25,11.066
  L4 w0.2: v1(64.704,11.77) v1(64.704,12.77)
NetIC9H_13: IC9H.13 R22H.1 | length 3.7
  L1 w0.2: R22H.1@56.924,15.27 57.994,15.27 58.167,15.443 58.942,15.443 59.71,14.675 IC9H.13@59.71,14.2
NetIC10_6: IC10.6 R27.2 | length 2.1
  L1 w0.3: R27.2@87.754,65.77 87.889,65.905 IC10.6@89.754,65.905
NetIC10_7: IC10.7 R25.2 | length 2.2
  L1 w0.3: R25.2@87.754,64.27 88.914,64.27 89.279,64.635 IC10.7@89.754,64.635
NetIC11_6: IC11.6 R31.2 | length 2
  L1 w0.3: R31.2@88.095,78.946 88.136,78.905 IC11.6@90.054,78.905
NetIC12_2: IC12.2 R34.2 | length 2.2
  L1 w0.2: R34.2@87.754,59.02 87.754,59.055 88.104,59.405 IC12.2@89.754,59.405